# KiCad board panel.kicad_pcb (continued)
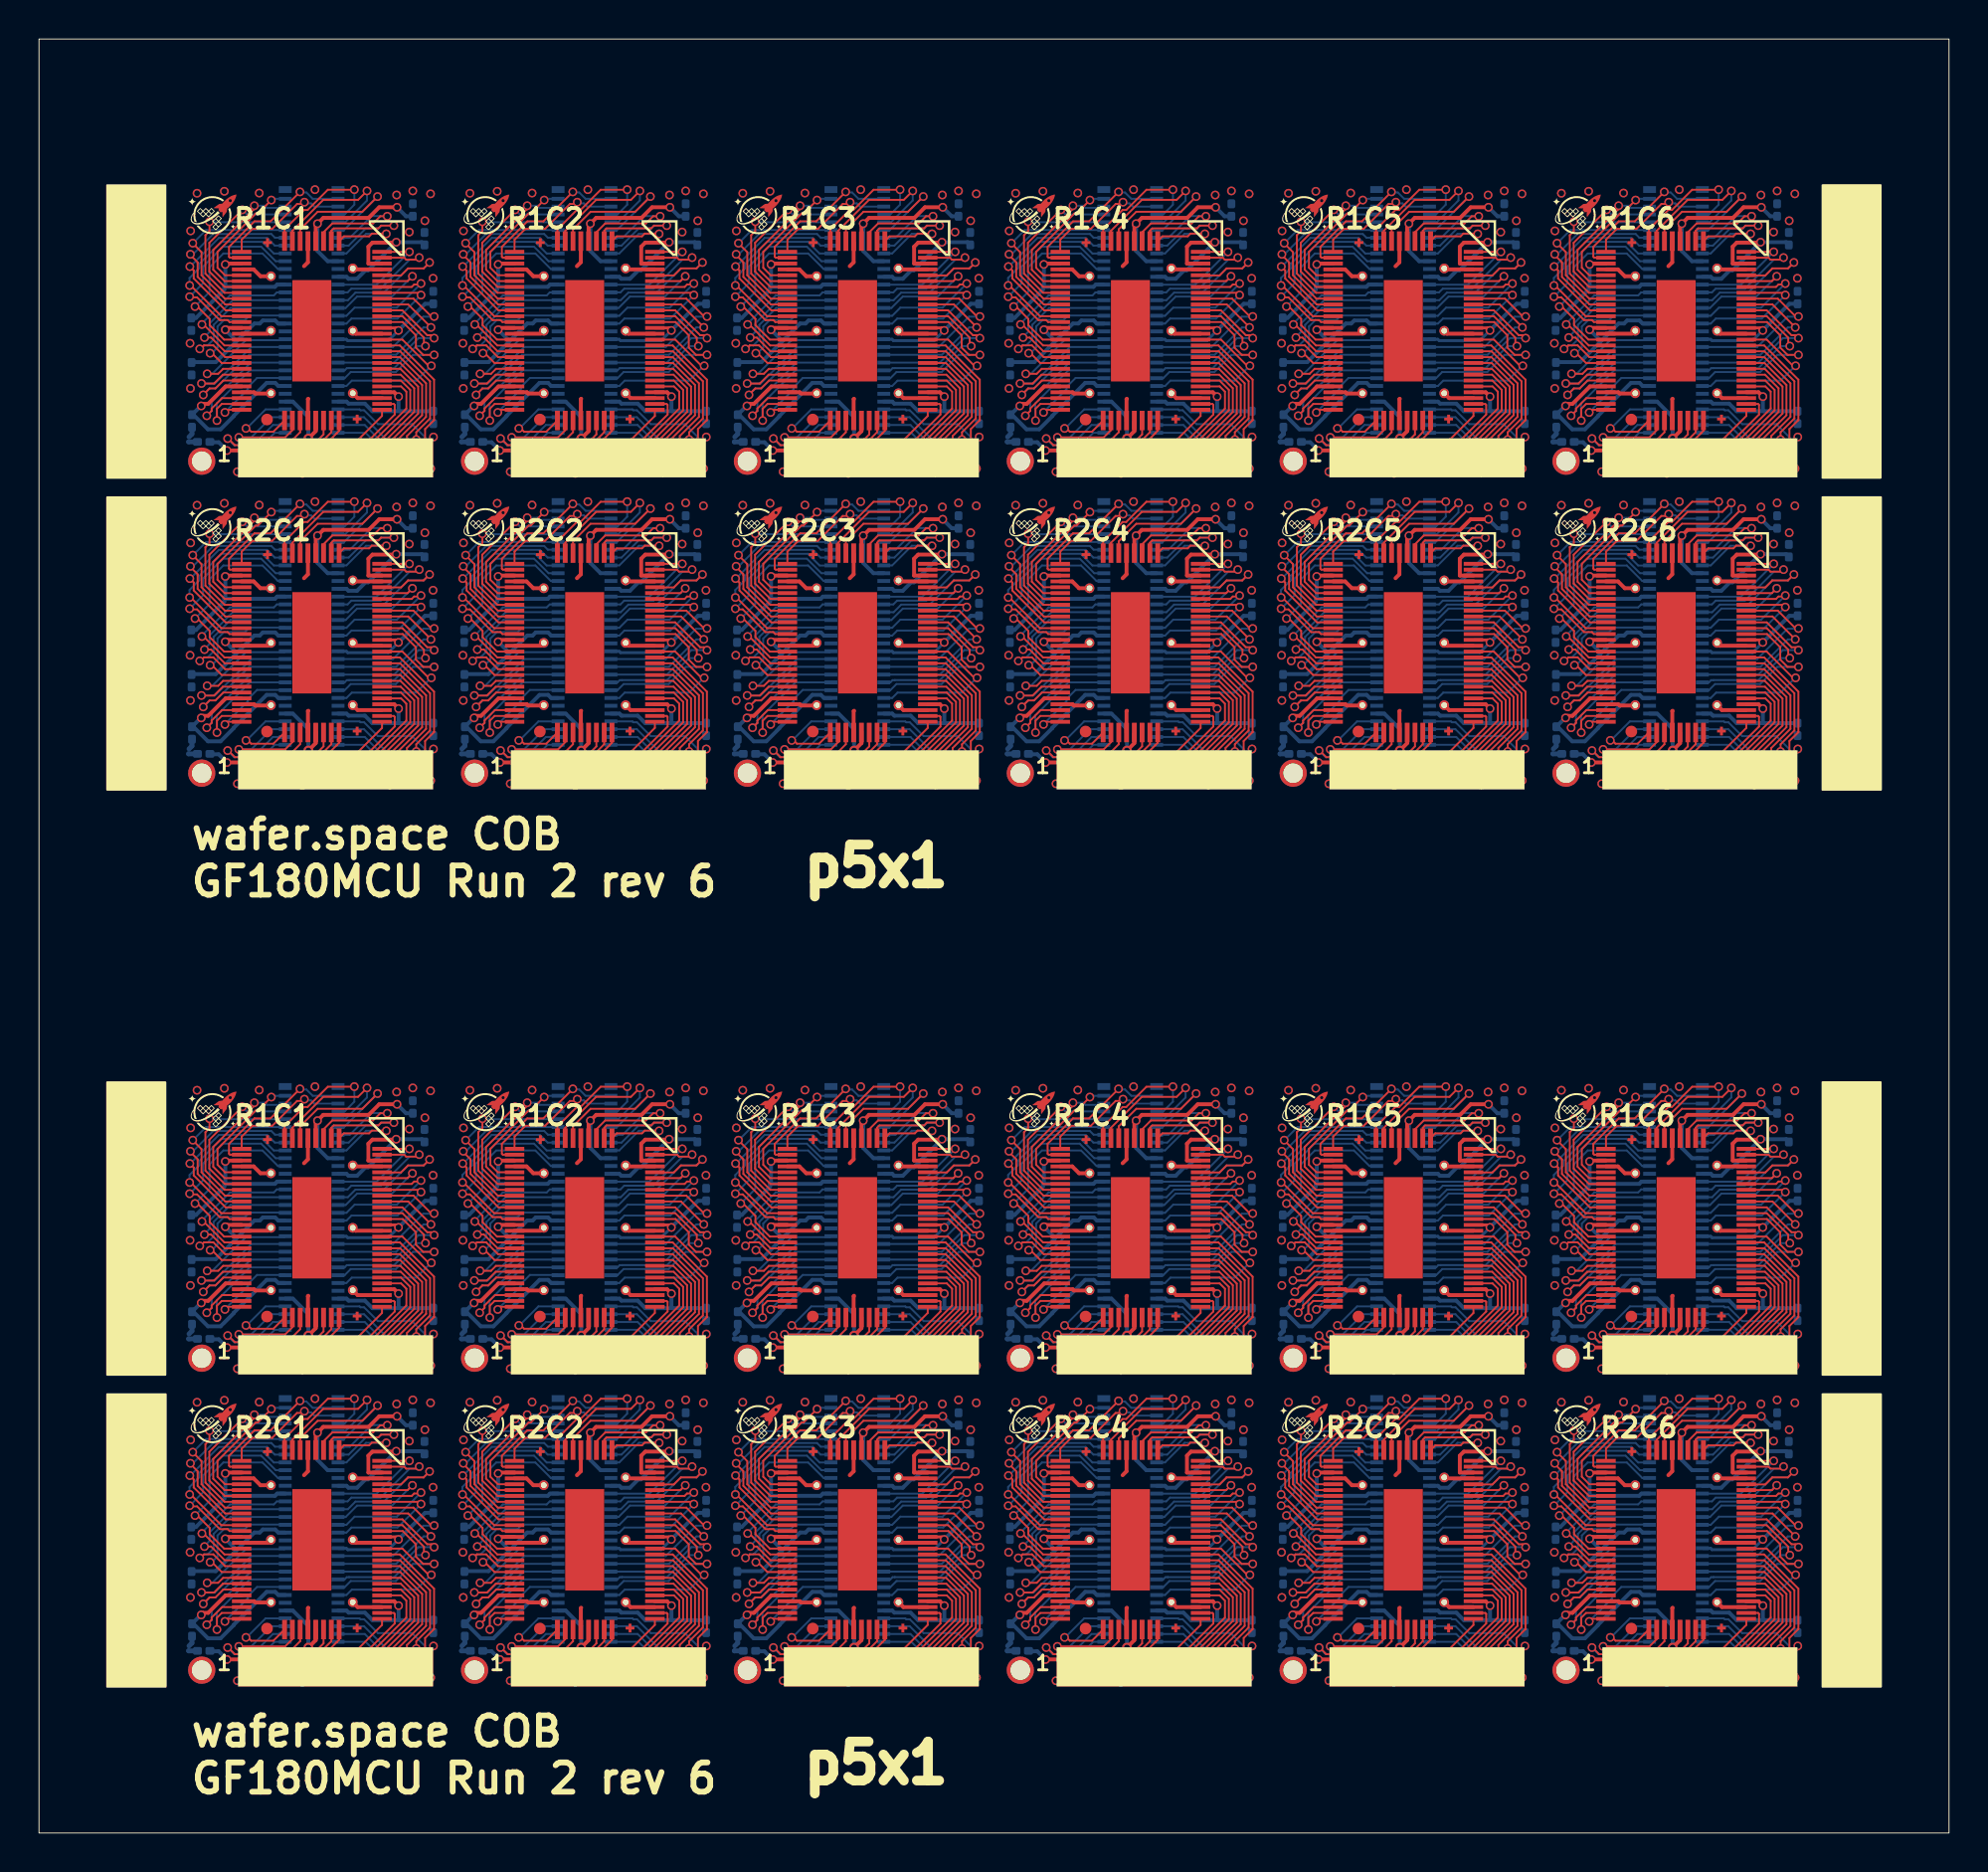
[diagram p0: board, top side]
## Routing (per net, layer and track width the routed paths; a pad name or vN(x,y) marks a point on that pad's centre or on a via; arc(x,y) is an arc through that point) (continued)
  Bottom w0.1: v1(58.18,8.02) 58,8.21 U119#2.70 ; v1(16.18,8.02) 16,8.21 U113.70 ; v1(44.18,70.02) 44,70.21 43.34,70.2 ; U107.70 58,24.21 v1(58.18,24.02) ; v1(72.18,24.02) 72,24.21 71.35,24.2 ; 71.35,8.2 72,8.21 v1(72.18,8.02) ; v1(58.18,70.02) 58,70.21 57.34,70.2 ; v1(44.18,8.02) 44,8.21 U117.70 ; U105#2.70 44,24.21 v1(44.18,24.02) ; 85.35,70.2 86,70.21 v1(86.18,70.02) ; U111.70 86,24.21 v1(86.18,24.02) ; v1(16.18,24.02) 16,24.21 U101.70 ; 71.35,70.2 72,70.21 v1(72.18,70.02) ; v1(30.18,8.02) 30,8.21 U115.70 ; U113#2.70 16,54.21 v1(16.18,54.02) ; v1(30.18,24.02) 30,24.21 U103.70 ; v1(58.18,54.02) 58,54.21 U119.70 ; 29.34,70.2 30,70.21 v1(30.18,70.02) ; 71.35,54.2 72,54.21 v1(72.18,54.02) ; U123.70 86,8.21 v1(86.18,8.02) ; v1(44.18,54.02) 44,54.21 U117#2.70 ; U123#2.70 86,54.21 v1(86.18,54.02) ; U115#2.70 30,54.21 v1(30.18,54.02) ; v1(16.18,70.02) 16,70.21 15.34,70.2
/bidir_3: length 196.5
  Top w0.1: v1(72.76,24.06) 72.76,24.67 75.05,26.96 75.05,28.01 74.57,28.49 U110#2.14 ; U118.14 46.57,12.49 47.05,12.01 47.05,10.96 44.76,8.67 v1(44.76,8.06) ; U104#2.14 32.57,28.49 33.05,28.01 33.05,26.96 30.76,24.67 v1(30.76,24.06) ; v1(86.76,24.06) 86.76,24.67 89.05,26.96 89.05,28.01 88.57,28.49 U112.14 ; v1(72.76,70.06) 72.76,70.67 75.05,72.96 75.05,74.01 74.57,74.49 73.6,74.49 ; U118#2.14 46.57,58.49 47.05,58.01 47.05,56.96 44.76,54.67 v1(44.76,54.06) ; v1(86.76,54.06) 86.76,54.67 89.05,56.96 89.05,58.01 88.57,58.49 U124#2.14 ; v1(58.76,54.06) 58.76,54.67 61.05,56.96 61.05,58.01 60.57,58.49 U120#2.14 ; U114#2.14 18.57,12.49 19.05,12.01 19.05,10.96 16.76,8.67 v1(16.76,8.06) ; v1(86.76,8.06) 86.76,8.67 89.05,10.96 89.05,12.01 88.57,12.49 U124.14 ; v1(72.76,8.06) 72.76,8.67 75.05,10.96 75.05,12.01 74.57,12.49 U122#2.14 ; v1(30.76,8.06) 30.76,8.67 33.05,10.96 33.05,12.01 32.57,12.49 U116#2.14 ; v1(30.76,54.06) 30.76,54.67 33.05,56.96 33.05,58.01 32.57,58.49 U116.14 ; U102#2.14 18.57,28.49 19.05,28.01 19.05,26.96 16.76,24.67 v1(16.76,24.06) ; v1(72.76,54.06) 72.76,54.67 75.05,56.96 75.05,58.01 74.57,58.49 U122.14 ; v1(16.76,70.06) 16.76,70.67 19.05,72.96 19.05,74.01 18.57,74.49 17.6,74.49 ; v1(58.76,24.06) 58.76,24.67 61.05,26.96 61.05,28.01 60.57,28.49 U108.14 ; v1(30.76,70.06) 30.76,70.67 33.05,72.96 33.05,74.01 32.57,74.49 31.6,74.49 ; U120.14 60.57,12.49 61.05,12.01 61.05,10.96 58.76,8.67 v1(58.76,8.06) ; v1(86.76,70.06) 86.76,70.67 89.05,72.96 89.05,74.01 88.57,74.49 87.6,74.49 ; U106.14 46.57,28.49 47.05,28.01 47.05,26.96 44.76,24.67 v1(44.76,24.06) ; v1(58.76,70.06) 58.76,70.67 61.05,72.96 61.05,74.01 60.57,74.49 59.6,74.49 ; 45.6,74.49 46.57,74.49 47.05,74.01 47.05,72.96 44.76,70.67 v1(44.76,70.06) ; U114.14 18.57,58.49 19.05,58.01 19.05,56.96 16.76,54.67 v1(16.76,54.06)
  Bottom w0.1: v1(44.76,54.06) 44.21,54.61 U117#2.69 ; v1(86.76,24.06) 86.21,24.61 U111.69 ; U113#2.69 16.21,54.61 v1(16.76,54.06) ; U101.69 16.21,24.61 v1(16.76,24.06) ; U111#2.69 86.21,70.61 v1(86.76,70.06) ; 71.35,54.61 72.21,54.61 v1(72.76,54.06) ; U123#2.69 86.21,54.61 v1(86.76,54.06) ; v1(16.76,70.06) 16.21,70.61 U101#2.69 ; 71.35,24.61 72.21,24.61 v1(72.76,24.06) ; v1(16.76,8.06) 16.21,8.61 U113.69 ; v1(58.76,70.06) 58.21,70.61 U107#2.69 ; v1(58.76,54.06) 58.21,54.61 U119.69 ; v1(30.76,8.06) 30.21,8.61 U115.69 ; 71.35,70.61 72.21,70.61 v1(72.76,70.06) ; U119#2.69 58.21,8.61 v1(58.76,8.06) ; v1(30.76,54.06) 30.21,54.61 U115#2.69 ; v1(44.76,24.06) 44.21,24.61 U105#2.69 ; U107.69 58.21,24.61 v1(58.76,24.06) ; v1(86.76,8.06) 86.21,8.61 U123.69 ; 71.35,8.61 72.21,8.61 v1(72.76,8.06) ; v1(44.76,8.06) 44.21,8.61 U117.69 ; U105.69 44.21,70.61 v1(44.76,70.06) ; U103#2.69 30.21,70.61 v1(30.76,70.06) ; v1(30.76,24.06) 30.21,24.61 U103.69
/bidir_4: length 217.1
  Top w0.1: U112#2.15 88.56,74.79 89.25,74.09 89.25,72.88 87.33,70.95 v1(87.33,70.13) ; U106.15 46.56,28.79 47.25,28.09 47.25,26.88 45.33,24.95 v1(45.33,24.13) ; v1(59.33,8.13) 59.33,8.95 61.25,10.88 61.25,12.09 60.56,12.79 U120.15 ; v1(87.33,8.13) 87.33,8.95 89.25,10.88 89.25,12.09 88.56,12.79 U124.15 ; v1(73.33,54.13) 73.33,54.95 75.25,56.88 75.25,58.09 74.56,58.79 U122.15 ; U106#2.15 46.56,74.79 47.25,74.09 47.25,72.88 45.33,70.95 v1(45.33,70.13) ; v1(87.33,24.13) 87.33,24.95 89.25,26.88 89.25,28.09 88.56,28.79 U112.15 ; U114#2.15 18.56,12.79 19.25,12.09 19.25,10.88 17.33,8.95 v1(17.33,8.13) ; v1(31.33,70.13) 31.33,70.95 33.25,72.88 33.25,74.09 32.56,74.79 U104.15 ; U116#2.15 32.56,12.79 33.25,12.09 33.25,10.88 31.33,8.95 v1(31.33,8.13) ; U120#2.15 60.56,58.79 61.25,58.09 61.25,56.88 59.33,54.95 v1(59.33,54.13) ; v1(73.33,70.13) 73.33,70.95 75.25,72.88 75.25,74.09 74.56,74.79 U110.15 ; U114.15 18.56,58.79 19.25,58.09 19.25,56.88 17.33,54.95 v1(17.33,54.13) ; U102.15 18.56,74.79 19.25,74.09 19.25,72.88 17.33,70.95 v1(17.33,70.13) ; U124#2.15 88.56,58.79 89.25,58.09 89.25,56.88 87.33,54.95 v1(87.33,54.13) ; v1(45.33,54.13) 45.33,54.95 47.25,56.88 47.25,58.09 46.56,58.79 U118#2.15 ; v1(45.33,8.13) 45.33,8.95 47.25,10.88 47.25,12.09 46.56,12.79 U118.15 ; v1(73.33,24.13) 73.33,24.95 75.25,26.88 75.25,28.09 74.56,28.79 U110#2.15 ; U102#2.15 18.56,28.79 19.25,28.09 19.25,26.88 17.33,24.95 v1(17.33,24.13) ; U122#2.15 74.56,12.79 75.25,12.09 75.25,10.88 73.33,8.95 v1(73.33,8.13) ; v1(59.33,70.13) 59.33,70.95 61.25,72.88 61.25,74.09 60.56,74.79 U108#2.15 ; U116.15 32.56,58.79 33.25,58.09 33.25,56.88 31.33,54.95 v1(31.33,54.13) ; U104#2.15 32.56,28.79 33.25,28.09 33.25,26.88 31.33,24.95 v1(31.33,24.13) ; U108.15 60.56,28.79 61.25,28.09 61.25,26.88 59.33,24.95 v1(59.33,24.13)
  Bottom w0.1: U123#2.68 86.45,55 v1(87.33,54.13) ; U107#2.68 58.45,71 v1(59.33,70.13) ; v1(45.33,8.13) 44.45,9 U117.68 ; v1(45.33,70.13) 44.45,71 U105.68 ; v1(31.33,8.13) 30.45,9 U115.68 ; U119.68 58.45,55 v1(59.33,54.13) ; U111#2.68 86.45,71 v1(87.33,70.13) ; v1(45.33,54.13) 44.45,55 U117#2.68 ; U101#2.68 16.45,71 v1(17.33,70.13) ; U113#2.68 16.45,55 v1(17.33,54.13) ; v1(45.33,24.13) 44.45,25 U105#2.68 ; v1(59.33,8.13) 58.45,9 U119#2.68 ; 71.35,25.01 72.45,25 v1(73.33,24.13) ; v1(31.33,24.13) 30.45,25 U103.68 ; v1(31.33,70.13) 30.45,71 U103#2.68 ; U101.68 16.45,25 v1(17.33,24.13) ; v1(87.33,24.13) 86.45,25 U111.68 ; v1(73.33,54.13) 72.45,55 71.35,55.01 ; U113.68 16.45,9 v1(17.33,8.13) ; v1(73.33,70.13) 72.45,71 71.35,71.01 ; U115#2.68 30.45,55 v1(31.33,54.13) ; U123.68 86.45,9 v1(87.33,8.13) ; 71.35,9.01 72.45,9 v1(73.33,8.13) ; v1(59.33,24.13) 58.45,25 U107.68
/bidir_5: length 231.9
  Top w0.1: 73.6,13.09 74.54,13.09 75.46,12.17 75.46,10.79 73.86,9.19 v1(73.86,8.36) ; 45.6,29.09 46.54,29.09 47.46,28.17 47.46,26.79 45.86,25.19 v1(45.86,24.36) ; 59.6,13.09 60.54,13.09 61.46,12.17 61.46,10.79 59.86,9.19 v1(59.86,8.36) ; v1(31.86,8.36) 31.86,9.19 33.46,10.79 33.46,12.17 32.54,13.09 31.6,13.09 ; 45.6,13.09 46.54,13.09 47.46,12.17 47.46,10.79 45.86,9.19 v1(45.86,8.36) ; v1(87.86,8.36) 87.86,9.19 89.46,10.79 89.46,12.17 88.54,13.09 87.6,13.09 ; 31.6,29.09 32.54,29.09 33.46,28.17 33.46,26.79 31.86,25.19 v1(31.86,24.36) ; 59.6,59.09 60.54,59.09 61.46,58.17 61.46,56.79 59.86,55.19 v1(59.86,54.36) ; v1(17.86,70.36) 17.86,71.19 19.46,72.79 19.46,74.17 18.54,75.09 17.6,75.09 ; v1(73.86,70.36) 73.86,71.19 75.46,72.79 75.46,74.17 74.54,75.09 73.6,75.09 ; 73.6,29.09 74.54,29.09 75.46,28.17 75.46,26.79 73.86,25.19 v1(73.86,24.36) ; 31.6,75.09 32.54,75.09 33.46,74.17 33.46,72.79 31.86,71.19 v1(31.86,70.36) ; 17.6,29.09 18.54,29.09 19.46,28.17 19.46,26.79 17.86,25.19 v1(17.86,24.36) ; v1(17.86,8.36) 17.86,9.19 19.46,10.79 19.46,12.17 18.54,13.09 17.6,13.09 ; 59.6,75.09 60.54,75.09 61.46,74.17 61.46,72.79 59.86,71.19 v1(59.86,70.36) ; v1(87.86,54.36) 87.86,55.19 89.46,56.79 89.46,58.17 88.54,59.09 87.6,59.09 ; 73.6,59.09 74.54,59.09 75.46,58.17 75.46,56.79 73.86,55.19 v1(73.86,54.36) ; v1(45.86,54.36) 45.86,55.19 47.46,56.79 47.46,58.17 46.54,59.09 45.6,59.09 ; 87.6,75.09 88.54,75.09 89.46,74.17 89.46,72.79 87.86,71.19 v1(87.86,70.36) ; v1(59.86,24.36) 59.86,25.19 61.46,26.79 61.46,28.17 60.54,29.09 59.6,29.09 ; 31.6,59.09 32.54,59.09 33.46,58.17 33.46,56.79 31.86,55.19 v1(31.86,54.36) ; 45.6,75.09 46.54,75.09 47.46,74.17 47.46,72.79 45.86,71.19 v1(45.86,70.36) ; v1(87.86,24.36) 87.86,25.19 89.46,26.79 89.46,28.17 88.54,29.09 87.6,29.09 ; 17.6,59.09 18.54,59.09 19.46,58.17 19.46,56.79 17.86,55.19 v1(17.86,54.36)
  Bottom w0.1: 71.35,55.41 72.81,55.41 v1(73.86,54.36) ; 29.35,9.41 30.81,9.41 v1(31.86,8.36) ; v1(87.86,24.36) 86.81,25.41 85.35,25.41 ; 15.35,25.41 16.81,25.41 v1(17.86,24.36) ; 43.35,25.41 44.81,25.41 v1(45.86,24.36) ; 43.35,71.41 44.81,71.41 v1(45.86,70.36) ; 71.35,9.41 72.81,9.41 v1(73.86,8.36) ; 57.35,55.41 58.81,55.41 v1(59.86,54.36) ; 85.35,71.41 86.81,71.41 v1(87.86,70.36) ; v1(17.86,54.36) 16.81,55.41 15.35,55.41 ; 71.35,71.41 72.81,71.41 v1(73.86,70.36) ; 43.35,55.41 44.81,55.41 v1(45.86,54.36) ; 57.35,9.41 58.81,9.41 v1(59.86,8.36) ; 15.35,71.41 16.81,71.41 v1(17.86,70.36) ; v1(59.86,24.36) 58.81,25.41 57.35,25.41 ; 71.35,25.41 72.81,25.41 v1(73.86,24.36) ; 85.35,55.41 86.81,55.41 v1(87.86,54.36) ; 29.35,71.41 30.81,71.41 v1(31.86,70.36) ; 57.35,71.41 58.81,71.41 v1(59.86,70.36) ; v1(31.86,24.36) 30.81,25.41 29.35,25.41 ; 85.35,9.41 86.81,9.41 v1(87.86,8.36) ; 29.35,55.41 30.81,55.41 v1(31.86,54.36) ; 15.35,9.41 16.81,9.41 v1(17.86,8.36) ; 43.35,9.41 44.81,9.41 v1(45.86,8.36)
/bidir_6: length 245.7
  Top w0.1: v1(32.38,70.61) 32.38,71.42 33.66,72.71 33.66,74.26 32.53,75.39 U104.17 ; U112#2.17 88.53,75.39 89.66,74.26 89.66,72.71 88.38,71.42 v1(88.38,70.61) ; 17.6,13.39 18.53,13.39 19.66,12.26 19.66,10.71 18.38,9.42 v1(18.38,8.61) ; v1(88.38,54.61) 88.38,55.42 89.66,56.71 89.66,58.26 88.53,59.39 87.6,59.39 ; v1(60.38,8.61) 60.38,9.42 61.66,10.71 61.66,12.26 60.53,13.39 59.6,13.39 ; 59.6,59.39 60.53,59.39 61.66,58.26 61.66,56.71 60.38,55.42 v1(60.38,54.61) ; 17.6,59.39 18.53,59.39 19.66,58.26 19.66,56.71 18.38,55.42 v1(18.38,54.61) ; 45.6,59.39 46.53,59.39 47.66,58.26 47.66,56.71 46.38,55.42 v1(46.38,54.61) ; 31.6,59.39 32.53,59.39 33.66,58.26 33.66,56.71 32.38,55.42 v1(32.38,54.61) ; v1(46.38,70.61) 46.38,71.42 47.66,72.71 47.66,74.26 46.53,75.39 U106#2.17 ; v1(74.38,8.61) 74.38,9.42 75.66,10.71 75.66,12.26 74.53,13.39 73.6,13.39 ; 17.6,29.39 18.53,29.39 19.66,28.26 19.66,26.71 18.38,25.42 v1(18.38,24.61) ; v1(32.38,8.61) 32.38,9.42 33.66,10.71 33.66,12.26 32.53,13.39 31.6,13.39 ; 87.6,13.39 88.53,13.39 89.66,12.26 89.66,10.71 88.38,9.42 v1(88.38,8.61) ; 45.6,29.39 46.53,29.39 47.66,28.26 47.66,26.71 46.38,25.42 v1(46.38,24.61) ; 73.6,29.39 74.53,29.39 75.66,28.26 75.66,26.71 74.38,25.42 v1(74.38,24.61) ; 59.6,29.39 60.53,29.39 61.66,28.26 61.66,26.71 60.38,25.42 v1(60.38,24.61) ; U102.17 18.53,75.39 19.66,74.26 19.66,72.71 18.38,71.42 v1(18.38,70.61) ; U108#2.17 60.53,75.39 61.66,74.26 61.66,72.71 60.38,71.42 v1(60.38,70.61) ; v1(74.38,70.61) 74.38,71.42 75.66,72.71 75.66,74.26 74.53,75.39 U110.17 ; 87.6,29.39 88.53,29.39 89.66,28.26 89.66,26.71 88.38,25.42 v1(88.38,24.61) ; 31.6,29.39 32.53,29.39 33.66,28.26 33.66,26.71 32.38,25.42 v1(32.38,24.61) ; v1(74.38,54.61) 74.38,55.42 75.66,56.71 75.66,58.26 74.53,59.39 73.6,59.39 ; 45.6,13.39 46.53,13.39 47.66,12.26 47.66,10.71 46.38,9.42 v1(46.38,8.61)
  Bottom w0.1: v1(18.38,8.61) 18.17,8.61 18.02,8.76 17.8,8.76 16.75,9.81 U113.66 ; v1(74.38,8.61) 74.17,8.61 74.02,8.76 73.8,8.76 72.76,9.81 71.35,9.81 ; U101.66 16.75,25.81 17.8,24.76 18.02,24.76 18.17,24.61 v1(18.38,24.61) ; U123#2.66 86.76,55.81 87.8,54.76 88.02,54.76 88.17,54.61 v1(88.38,54.61) ; U113#2.66 16.75,55.81 17.8,54.76 18.02,54.76 18.17,54.61 v1(18.38,54.61) ; U107#2.66 58.75,71.81 59.8,70.76 60.02,70.76 60.17,70.61 v1(60.38,70.61) ; U107.66 58.75,25.81 59.8,24.76 60.02,24.76 60.17,24.61 v1(60.38,24.61) ; U103.66 30.75,25.81 31.8,24.76 32.02,24.76 32.17,24.61 v1(32.38,24.61) ; v1(88.38,24.61) 88.17,24.61 88.02,24.76 87.8,24.76 86.76,25.81 U111.66 ; U117#2.66 44.75,55.81 45.8,54.76 46.02,54.76 46.17,54.61 v1(46.38,54.61) ; U117.66 44.75,9.81 45.8,8.76 46.02,8.76 46.17,8.61 v1(46.38,8.61) ; U115#2.66 30.75,55.81 31.8,54.76 32.02,54.76 32.17,54.61 v1(32.38,54.61) ; v1(32.38,8.61) 32.17,8.61 32.02,8.76 31.8,8.76 30.75,9.81 U115.66 ; v1(88.38,70.61) 88.17,70.61 88.02,70.76 87.8,70.76 86.76,71.81 U111#2.66 ; 71.35,25.81 72.76,25.81 73.8,24.76 74.02,24.76 74.17,24.61 v1(74.38,24.61) ; v1(32.38,70.61) 32.17,70.61 32.02,70.76 31.8,70.76 30.75,71.81 U103#2.66 ; v1(18.38,70.61) 18.17,70.61 18.02,70.76 17.8,70.76 16.75,71.81 U101#2.66 ; v1(46.38,70.61) 46.17,70.61 46.02,70.76 45.8,70.76 44.75,71.81 U105.66 ; U119.66 58.75,55.81 59.8,54.76 60.02,54.76 60.17,54.61 v1(60.38,54.61) ; 71.35,71.81 72.76,71.81 73.8,70.76 74.02,70.76 74.17,70.61 v1(74.38,70.61) ; 71.35,55.81 72.76,55.81 73.8,54.76 74.02,54.76 74.17,54.61 v1(74.38,54.61) ; v1(46.38,24.61) 46.17,24.61 46.02,24.76 45.8,24.76 44.75,25.81 U105#2.66 ; U123.66 86.76,9.81 87.8,8.76 88.02,8.76 88.17,8.61 v1(88.38,8.61) ; v1(60.38,8.61) 60.17,8.61 60.02,8.76 59.8,8.76 58.75,9.81 U119#2.66
/bidir_7: length 258.4
  Top w0.1: v1(32.88,54.88) 32.88,55.64 33.86,56.62 33.86,58.34 32.52,59.68 31.6,59.68 ; 59.6,59.68 60.52,59.68 61.86,58.34 61.86,56.62 60.88,55.64 v1(60.88,54.88) ; v1(46.88,8.88) 46.88,9.64 47.86,10.62 47.86,12.34 46.52,13.68 45.6,13.68 ; v1(88.88,24.88) 88.88,25.64 89.86,26.62 89.86,28.34 88.52,29.68 87.6,29.68 ; v1(74.88,70.88) 74.88,71.64 75.86,72.62 75.86,74.34 74.52,75.68 U110.18 ; 87.6,13.68 88.52,13.68 89.86,12.34 89.86,10.62 88.88,9.64 v1(88.88,8.88) ; v1(74.88,54.88) 74.88,55.64 75.86,56.62 75.86,58.34 74.52,59.68 73.6,59.68 ; v1(74.88,24.88) 74.88,25.64 75.86,26.62 75.86,28.34 74.52,29.68 73.6,29.68 ; v1(46.88,70.88) 46.88,71.64 47.86,72.62 47.86,74.34 46.52,75.68 U106#2.18 ; 73.6,13.68 74.52,13.68 75.86,12.34 75.86,10.62 74.88,9.64 v1(74.88,8.88) ; v1(18.88,24.88) 18.88,25.64 19.86,26.62 19.86,28.34 18.52,29.68 17.6,29.68 ; v1(88.88,70.88) 88.88,71.64 89.86,72.62 89.86,74.34 88.52,75.68 U112#2.18 ; 45.6,59.68 46.52,59.68 47.86,58.34 47.86,56.62 46.88,55.64 v1(46.88,54.88) ; 31.6,29.68 32.52,29.68 33.86,28.34 33.86,26.62 32.88,25.64 v1(32.88,24.88) ; 17.6,59.68 18.52,59.68 19.86,58.34 19.86,56.62 18.88,55.64 v1(18.88,54.88) ; v1(60.88,8.88) 60.88,9.64 61.86,10.62 61.86,12.34 60.52,13.68 59.6,13.68 ; U108#2.18 60.52,75.68 61.86,74.34 61.86,72.62 60.88,71.64 v1(60.88,70.88) ; 31.6,13.68 32.52,13.68 33.86,12.34 33.86,10.62 32.88,9.64 v1(32.88,8.88) ; v1(46.88,24.88) 46.88,25.64 47.86,26.62 47.86,28.34 46.52,29.68 45.6,29.68 ; v1(32.88,70.88) 32.88,71.64 33.86,72.62 33.86,74.34 32.52,75.68 U104.18 ; 59.6,29.68 60.52,29.68 61.86,28.34 61.86,26.62 60.88,25.64 v1(60.88,24.88) ; v1(88.88,54.88) 88.88,55.64 89.86,56.62 89.86,58.34 88.52,59.68 87.6,59.68 ; v1(18.88,70.88) 18.88,71.64 19.86,72.62 19.86,74.34 18.52,75.68 U102.18 ; 17.6,13.68 18.52,13.68 19.86,12.34 19.86,10.62 18.88,9.64 v1(18.88,8.88)
  Bottom w0.1: 15.35,26.21 16.72,26.21 17.91,25.01 18.54,25.01 18.66,24.88 v1(18.88,24.88) ; 85.35,56.21 86.72,56.21 87.91,55.01 88.54,55.01 88.66,54.88 v1(88.88,54.88) ; 57.35,26.21 58.72,26.21 59.91,25.01 60.54,25.01 60.66,24.88 v1(60.88,24.88) ; v1(18.88,70.88) 18.66,70.88 18.54,71.01 17.91,71.01 16.72,72.21 15.35,72.21 ; 15.35,10.21 16.72,10.21 17.91,9.01 18.54,9.01 18.66,8.88 v1(18.88,8.88) ; v1(60.88,70.88) 60.66,70.88 60.54,71.01 59.91,71.01 58.72,72.21 57.35,72.21 ; 43.35,72.21 44.72,72.21 45.91,71.01 46.54,71.01 46.66,70.88 v1(46.88,70.88) ; v1(88.88,8.88) 88.66,8.88 88.54,9.01 87.91,9.01 86.72,10.21 85.35,10.21 ; v1(46.88,24.88) 46.66,24.88 46.54,25.01 45.91,25.01 44.72,26.21 43.35,26.21 ; 57.35,56.21 58.72,56.21 59.91,55.01 60.54,55.01 60.66,54.88 v1(60.88,54.88) ; 29.35,56.21 30.72,56.21 31.91,55.01 32.54,55.01 32.66,54.88 v1(32.88,54.88) ; v1(88.88,70.88) 88.66,70.88 88.54,71.01 87.91,71.01 86.72,72.21 85.35,72.21 ; 71.35,10.21 72.72,10.21 73.91,9.01 74.54,9.01 74.66,8.88 v1(74.88,8.88) ; 43.35,56.21 44.72,56.21 45.91,55.01 46.54,55.01 46.66,54.88 v1(46.88,54.88) ; v1(32.88,70.88) 32.66,70.88 32.54,71.01 31.91,71.01 30.72,72.21 29.35,72.21 ; v1(32.88,24.88) 32.66,24.88 32.54,25.01 31.91,25.01 30.72,26.21 29.35,26.21 ; v1(32.88,8.88) 32.66,8.88 32.54,9.01 31.91,9.01 30.72,10.21 29.35,10.21 ; 43.35,10.21 44.72,10.21 45.91,9.01 46.54,9.01 46.66,8.88 v1(46.88,8.88) ; v1(18.88,54.88) 18.66,54.88 18.54,55.01 17.91,55.01 16.72,56.21 15.35,56.21 ; v1(74.88,24.88) 74.66,24.88 74.54,25.01 73.91,25.01 72.72,26.21 71.35,26.21 ; v1(74.88,70.88) 74.66,70.88 74.54,71.01 73.91,71.01 72.72,72.21 71.35,72.21 ; 71.35,56.21 72.72,56.21 73.91,55.01 74.54,55.01 74.66,54.88 v1(74.88,54.88) ; v1(60.88,8.88) 60.66,8.88 60.54,9.01 59.91,9.01 58.72,10.21 57.35,10.21 ; v1(88.88,24.88) 88.66,24.88 88.54,25.01 87.91,25.01 86.72,26.21 85.35,26.21
/bidir_8: length 264.1
  Top w0.1: U116.19 32.53,59.98 34.07,58.45 34.07,56.54 33.36,55.83 v1(33.36,55.46) ; v1(47.36,55.46) 47.36,55.83 48.07,56.54 48.07,58.45 46.53,59.98 U118#2.19 ; U110.19 74.53,75.98 76.07,74.45 76.07,72.54 75.36,71.83 v1(75.36,71.46) ; U124#2.19 88.53,59.98 90.07,58.45 90.07,56.54 89.36,55.83 v1(89.36,55.46) ; U102#2.19 18.53,29.98 20.07,28.45 20.07,26.54 19.36,25.83 v1(19.36,25.46) ; U120#2.19 60.53,59.98 62.07,58.45 62.07,56.54 61.36,55.83 v1(61.36,55.46) ; v1(89.36,71.46) 89.36,71.83 90.07,72.54 90.07,74.45 88.53,75.98 U112#2.19 ; v1(19.36,71.46) 19.36,71.83 20.07,72.54 20.07,74.45 18.53,75.98 U102.19 ; v1(89.36,25.46) 89.36,25.83 90.07,26.54 90.07,28.45 88.53,29.98 U112.19 ; U104#2.19 32.53,29.98 34.07,28.45 34.07,26.54 33.36,25.83 v1(33.36,25.46) ; v1(33.36,71.46) 33.36,71.83 34.07,72.54 34.07,74.45 32.53,75.98 U104.19 ; v1(47.36,71.46) 47.36,71.83 48.07,72.54 48.07,74.45 46.53,75.98 U106#2.19 ; U114.19 18.53,59.98 20.07,58.45 20.07,56.54 19.36,55.83 v1(19.36,55.46) ; U106.19 46.53,29.98 48.07,28.45 48.07,26.54 47.36,25.83 v1(47.36,25.46) ; v1(61.36,71.46) 61.36,71.83 62.07,72.54 62.07,74.45 60.53,75.98 U108#2.19 ; v1(61.36,9.46) 61.36,9.83 62.07,10.54 62.07,12.45 60.53,13.98 U120.19 ; v1(47.36,9.46) 47.36,9.83 48.07,10.54 48.07,12.45 46.53,13.98 U118.19 ; U110#2.19 74.53,29.98 76.07,28.45 76.07,26.54 75.36,25.83 v1(75.36,25.46) ; U114#2.19 18.53,13.98 20.07,12.45 20.07,10.54 19.36,9.83 v1(19.36,9.46) ; v1(33.36,9.46) 33.36,9.83 34.07,10.54 34.07,12.45 32.53,13.98 U116#2.19 ; v1(61.36,25.46) 61.36,25.83 62.07,26.54 62.07,28.45 60.53,29.98 U108.19 ; U124.19 88.53,13.98 90.07,12.45 90.07,10.54 89.36,9.83 v1(89.36,9.46) ; v1(75.36,9.46) 75.36,9.83 76.07,10.54 76.07,12.45 74.53,13.98 U122#2.19 ; U122.19 74.53,59.98 76.07,58.45 76.07,56.54 75.36,55.83 v1(75.36,55.46)
  Bottom w0.1: v1(61.36,55.46) 61.36,55.37 61.26,55.46 59.82,55.46 58.68,56.61 57.35,56.61 ; 85.35,26.61 86.68,26.61 87.82,25.46 89.26,25.46 89.36,25.37 v1(89.36,25.46) ; 71.35,26.61 72.68,26.61 73.82,25.46 75.26,25.46 75.36,25.37 v1(75.36,25.46) ; 29.35,56.61 30.68,56.61 31.82,55.46 33.26,55.46 33.36,55.37 v1(33.36,55.46) ; 71.35,72.61 72.68,72.61 73.82,71.46 75.26,71.46 75.36,71.37 v1(75.36,71.46) ; 43.35,26.61 44.68,26.61 45.82,25.46 47.26,25.46 47.36,25.37 v1(47.36,25.46) ; 43.35,56.61 44.68,56.61 45.82,55.46 47.26,55.46 47.36,55.37 v1(47.36,55.46) ; v1(33.36,25.46) 33.36,25.37 33.26,25.46 31.82,25.46 30.68,26.61 29.35,26.61 ; 15.35,26.61 16.68,26.61 17.82,25.46 19.26,25.46 19.36,25.37 v1(19.36,25.46) ; 71.35,10.61 72.68,10.61 73.82,9.46 75.26,9.46 75.36,9.37 v1(75.36,9.46) ; 29.35,72.61 30.68,72.61 31.82,71.46 33.26,71.46 33.36,71.37 v1(33.36,71.46) ; v1(61.36,9.46) 61.36,9.37 61.26,9.46 59.82,9.46 58.68,10.61 57.35,10.61 ; 85.35,10.61 86.68,10.61 87.82,9.46 89.26,9.46 89.36,9.37 v1(89.36,9.46) ; 57.35,26.61 58.68,26.61 59.82,25.46 61.26,25.46 61.36,25.37 v1(61.36,25.46) ; 29.35,10.61 30.68,10.61 31.82,9.46 33.26,9.46 33.36,9.37 v1(33.36,9.46) ; v1(75.36,55.46) 75.36,55.37 75.26,55.46 73.82,55.46 72.68,56.61 71.35,56.61 ; v1(19.36,55.46) 19.36,55.37 19.26,55.46 17.82,55.46 16.68,56.61 15.35,56.61 ; 85.35,56.61 86.68,56.61 87.82,55.46 89.26,55.46 89.36,55.37 v1(89.36,55.46) ; v1(19.36,9.46) 19.36,9.37 19.26,9.46 17.82,9.46 16.68,10.61 15.35,10.61 ; 43.35,10.61 44.68,10.61 45.82,9.46 47.26,9.46 47.36,9.37 v1(47.36,9.46) ; v1(89.36,71.46) 89.36,71.37 89.26,71.46 87.82,71.46 86.68,72.61 85.35,72.61 ; 43.35,72.61 44.68,72.61 45.82,71.46 47.26,71.46 47.36,71.37 v1(47.36,71.46) ; 15.35,72.61 16.68,72.61 17.82,71.46 19.26,71.46 19.36,71.37 v1(19.36,71.46) ; 57.35,72.61 58.68,72.61 59.82,71.46 61.26,71.46 61.36,71.37 v1(61.36,71.46)
/bidir_9: length 298.9
  Top w0.1: v1(75.85,55.17) 75.81,55.21 75.81,56 76.27,56.46 76.27,56.46 76.27,58.53 74.52,60.29 U122.20 ; v1(89.85,71.17) 89.81,71.21 89.81,72 90.27,72.46 90.27,72.46 90.27,74.53 88.52,76.29 U112#2.20 ; U110.20 74.52,76.29 76.27,74.53 76.27,72.46 76.27,72.46 75.81,72 75.81,71.21 v1(75.85,71.17) ; U106.20 46.52,30.29 48.27,28.53 48.27,26.46 48.27,26.46 47.81,26 47.81,25.21 v1(47.85,25.17) ; U124#2.20 88.52,60.29 90.27,58.53 90.27,56.46 90.27,56.46 89.81,56 89.81,55.21 v1(89.85,55.17) ; v1(75.85,25.17) 75.81,25.21 75.81,26 76.27,26.46 76.27,26.46 76.27,28.53 74.52,30.29 U110#2.20 ; v1(33.85,55.17) 33.81,55.21 33.81,56 34.27,56.46 34.27,56.46 34.27,58.53 32.52,60.29 U116.20 ; v1(47.85,71.17) 47.81,71.21 47.81,72 48.27,72.46 48.27,72.46 48.27,74.53 46.52,76.29 U106#2.20 ; v1(19.85,71.17) 19.81,71.21 19.81,72 20.27,72.46 20.27,72.46 20.27,74.53 18.52,76.29 U102.20 ; U118.20 46.52,14.29 48.27,12.53 48.27,10.46 48.27,10.46 47.81,10 47.81,9.21 v1(47.85,9.17) ; v1(33.85,71.17) 33.81,71.21 33.81,72 34.27,72.46 34.27,72.46 34.27,74.53 32.52,76.29 U104.20 ; U114#2.20 18.52,14.29 20.27,12.53 20.27,10.46 20.27,10.46 19.81,10 19.81,9.21 v1(19.85,9.17) ; U108#2.20 60.52,76.29 62.27,74.53 62.27,72.46 62.27,72.46 61.81,72 61.81,71.21 v1(61.85,71.17) ; v1(47.85,55.17) 47.81,55.21 47.81,56 48.27,56.46 48.27,56.46 48.27,58.53 46.52,60.29 U118#2.20 ; U114.20 18.52,60.29 20.27,58.53 20.27,56.46 20.27,56.46 19.81,56 19.81,55.21 v1(19.85,55.17) ; v1(19.85,25.17) 19.81,25.21 19.81,26 20.27,26.46 20.27,26.46 20.27,28.53 18.52,30.29 U102#2.20 ; U120.20 60.52,14.29 62.27,12.53 62.27,10.46 62.27,10.46 61.81,10 61.81,9.21 v1(61.85,9.17) ; v1(33.85,9.17) 33.81,9.21 33.81,10 34.27,10.46 34.27,10.46 34.27,12.53 32.52,14.29 U116#2.20 ; U124.20 88.52,14.29 90.27,12.53 90.27,10.46 90.27,10.46 89.81,10 89.81,9.21 v1(89.85,9.17) ; U122#2.20 74.52,14.29 76.27,12.53 76.27,10.46 76.27,10.46 75.81,10 75.81,9.21 v1(75.85,9.17) ; U112.20 88.52,30.29 90.27,28.53 90.27,26.46 90.27,26.46 89.81,26 89.81,25.21 v1(89.85,25.17) ; v1(61.85,25.17) 61.81,25.21 61.81,26 62.27,26.46 62.27,26.46 62.27,28.53 60.52,30.29 U108.20 ; U104#2.20 32.52,30.29 34.27,28.53 34.27,26.46 34.27,26.46 33.81,26 33.81,25.21 v1(33.85,25.17) ; U120#2.20 60.52,60.29 62.27,58.53 62.27,56.46 62.27,56.46 61.81,56 61.81,55.21 v1(61.85,55.17)
  Bottom w0.1: U111#2.63 86.45,73 86.49,72.96 86.68,72.96 87.39,72.25 89.14,72.25 89.81,71.58 89.81,71.21 v1(89.85,71.17) ; v1(75.85,25.17) 75.81,25.21 75.81,25.58 75.14,26.25 73.39,26.25 72.68,26.96 72.49,26.96 72.45,27 71.35,27 ; v1(19.85,9.17) 19.81,9.21 19.81,9.58 19.14,10.25 17.39,10.25 16.68,10.96 16.49,10.96 16.45,11 U113.63 ; v1(61.85,71.17) 61.81,71.21 61.81,71.58 61.14,72.25 59.39,72.25 58.68,72.96 58.49,72.96 58.45,73 U107#2.63 ; U119#2.63 58.45,11 58.49,10.96 58.68,10.96 59.39,10.25 61.14,10.25 61.81,9.58 61.81,9.21 v1(61.85,9.17) ; 71.35,73 72.45,73 72.49,72.96 72.68,72.96 73.39,72.25 75.14,72.25 75.81,71.58 75.81,71.21 v1(75.85,71.17) ; v1(61.85,55.17) 61.81,55.21 61.81,55.58 61.14,56.25 59.39,56.25 58.68,56.96 58.49,56.96 58.45,57 U119.63 ; U113#2.63 16.45,57 16.49,56.96 16.68,56.96 17.39,56.25 19.14,56.25 19.81,55.58 19.81,55.21 v1(19.85,55.17) ; v1(47.85,55.17) 47.81,55.21 47.81,55.58 47.14,56.25 45.39,56.25 44.68,56.96 44.49,56.96 44.45,57 U117#2.63 ; U115.63 30.45,11 30.49,10.96 30.68,10.96 31.39,10.25 33.14,10.25 33.81,9.58 33.81,9.21 v1(33.85,9.17) ; v1(33.85,71.17) 33.81,71.21 33.81,71.58 33.14,72.25 31.39,72.25 30.68,72.96 30.49,72.96 30.45,73 U103#2.63 ; v1(89.85,9.17) 89.81,9.21 89.81,9.58 89.14,10.25 87.39,10.25 86.68,10.96 86.49,10.96 86.45,11 U123.63 ; v1(75.85,55.17) 75.81,55.21 75.81,55.58 75.14,56.25 73.39,56.25 72.68,56.96 72.49,56.96 72.45,57 71.35,57 ; v1(75.85,9.17) 75.81,9.21 75.81,9.58 75.14,10.25 73.39,10.25 72.68,10.96 72.49,10.96 72.45,11 71.35,11 ; U111.63 86.45,27 86.49,26.96 86.68,26.96 87.39,26.25 89.14,26.25 89.81,25.58 89.81,25.21 v1(89.85,25.17) ; U107.63 58.45,27 58.49,26.96 58.68,26.96 59.39,26.25 61.14,26.25 61.81,25.58 61.81,25.21 v1(61.85,25.17) ; U117.63 44.45,11 44.49,10.96 44.68,10.96 45.39,10.25 47.14,10.25 47.81,9.58 47.81,9.21 v1(47.85,9.17) ; U101.63 16.45,27 16.49,26.96 16.68,26.96 17.39,26.25 19.14,26.25 19.81,25.58 19.81,25.21 v1(19.85,25.17) ; v1(33.85,25.17) 33.81,25.21 33.81,25.58 33.14,26.25 31.39,26.25 30.68,26.96 30.49,26.96 30.45,27 U103.63 ; v1(89.85,55.17) 89.81,55.21 89.81,55.58 89.14,56.25 87.39,56.25 86.68,56.96 86.49,56.96 86.45,57 U123#2.63 ; v1(33.85,55.17) 33.81,55.21 33.81,55.58 33.14,56.25 31.39,56.25 30.68,56.96 30.49,56.96 30.45,57 U115#2.63 ; v1(19.85,71.17) 19.81,71.21 19.81,71.58 19.14,72.25 17.39,72.25 16.68,72.96 16.49,72.96 16.45,73 U101#2.63 ; U105#2.63 44.45,27 44.49,26.96 44.68,26.96 45.39,26.25 47.14,26.25 47.81,25.58 47.81,25.21 v1(47.85,25.17) ; v1(47.85,71.17) 47.81,71.21 47.81,71.58 47.14,72.25 45.39,72.25 44.68,72.96 44.49,72.96 44.45,73 U105.63
